# Altium PCB e-puck3-coreboard.PcbDoc (part 6 of 7)
Units mm, origin at the board's own origin, x right, y up, seen from the top; angles counter-clockwise.
Board outline 42.5 x 39.5 mm, 10 copper layers (Top Layer, Top GND Plane, Top Mid Layer 1, Top Mid Layer 2, Mid GND Plane, Bot Mid Layer 3, Bot Mid Layer 2, Bot Mid Layer 1, Bot GND Plane, Bottom Layer), stack 1.366 mm thick; 292 components, 337 nets, 1581 pads, 7018 vias.
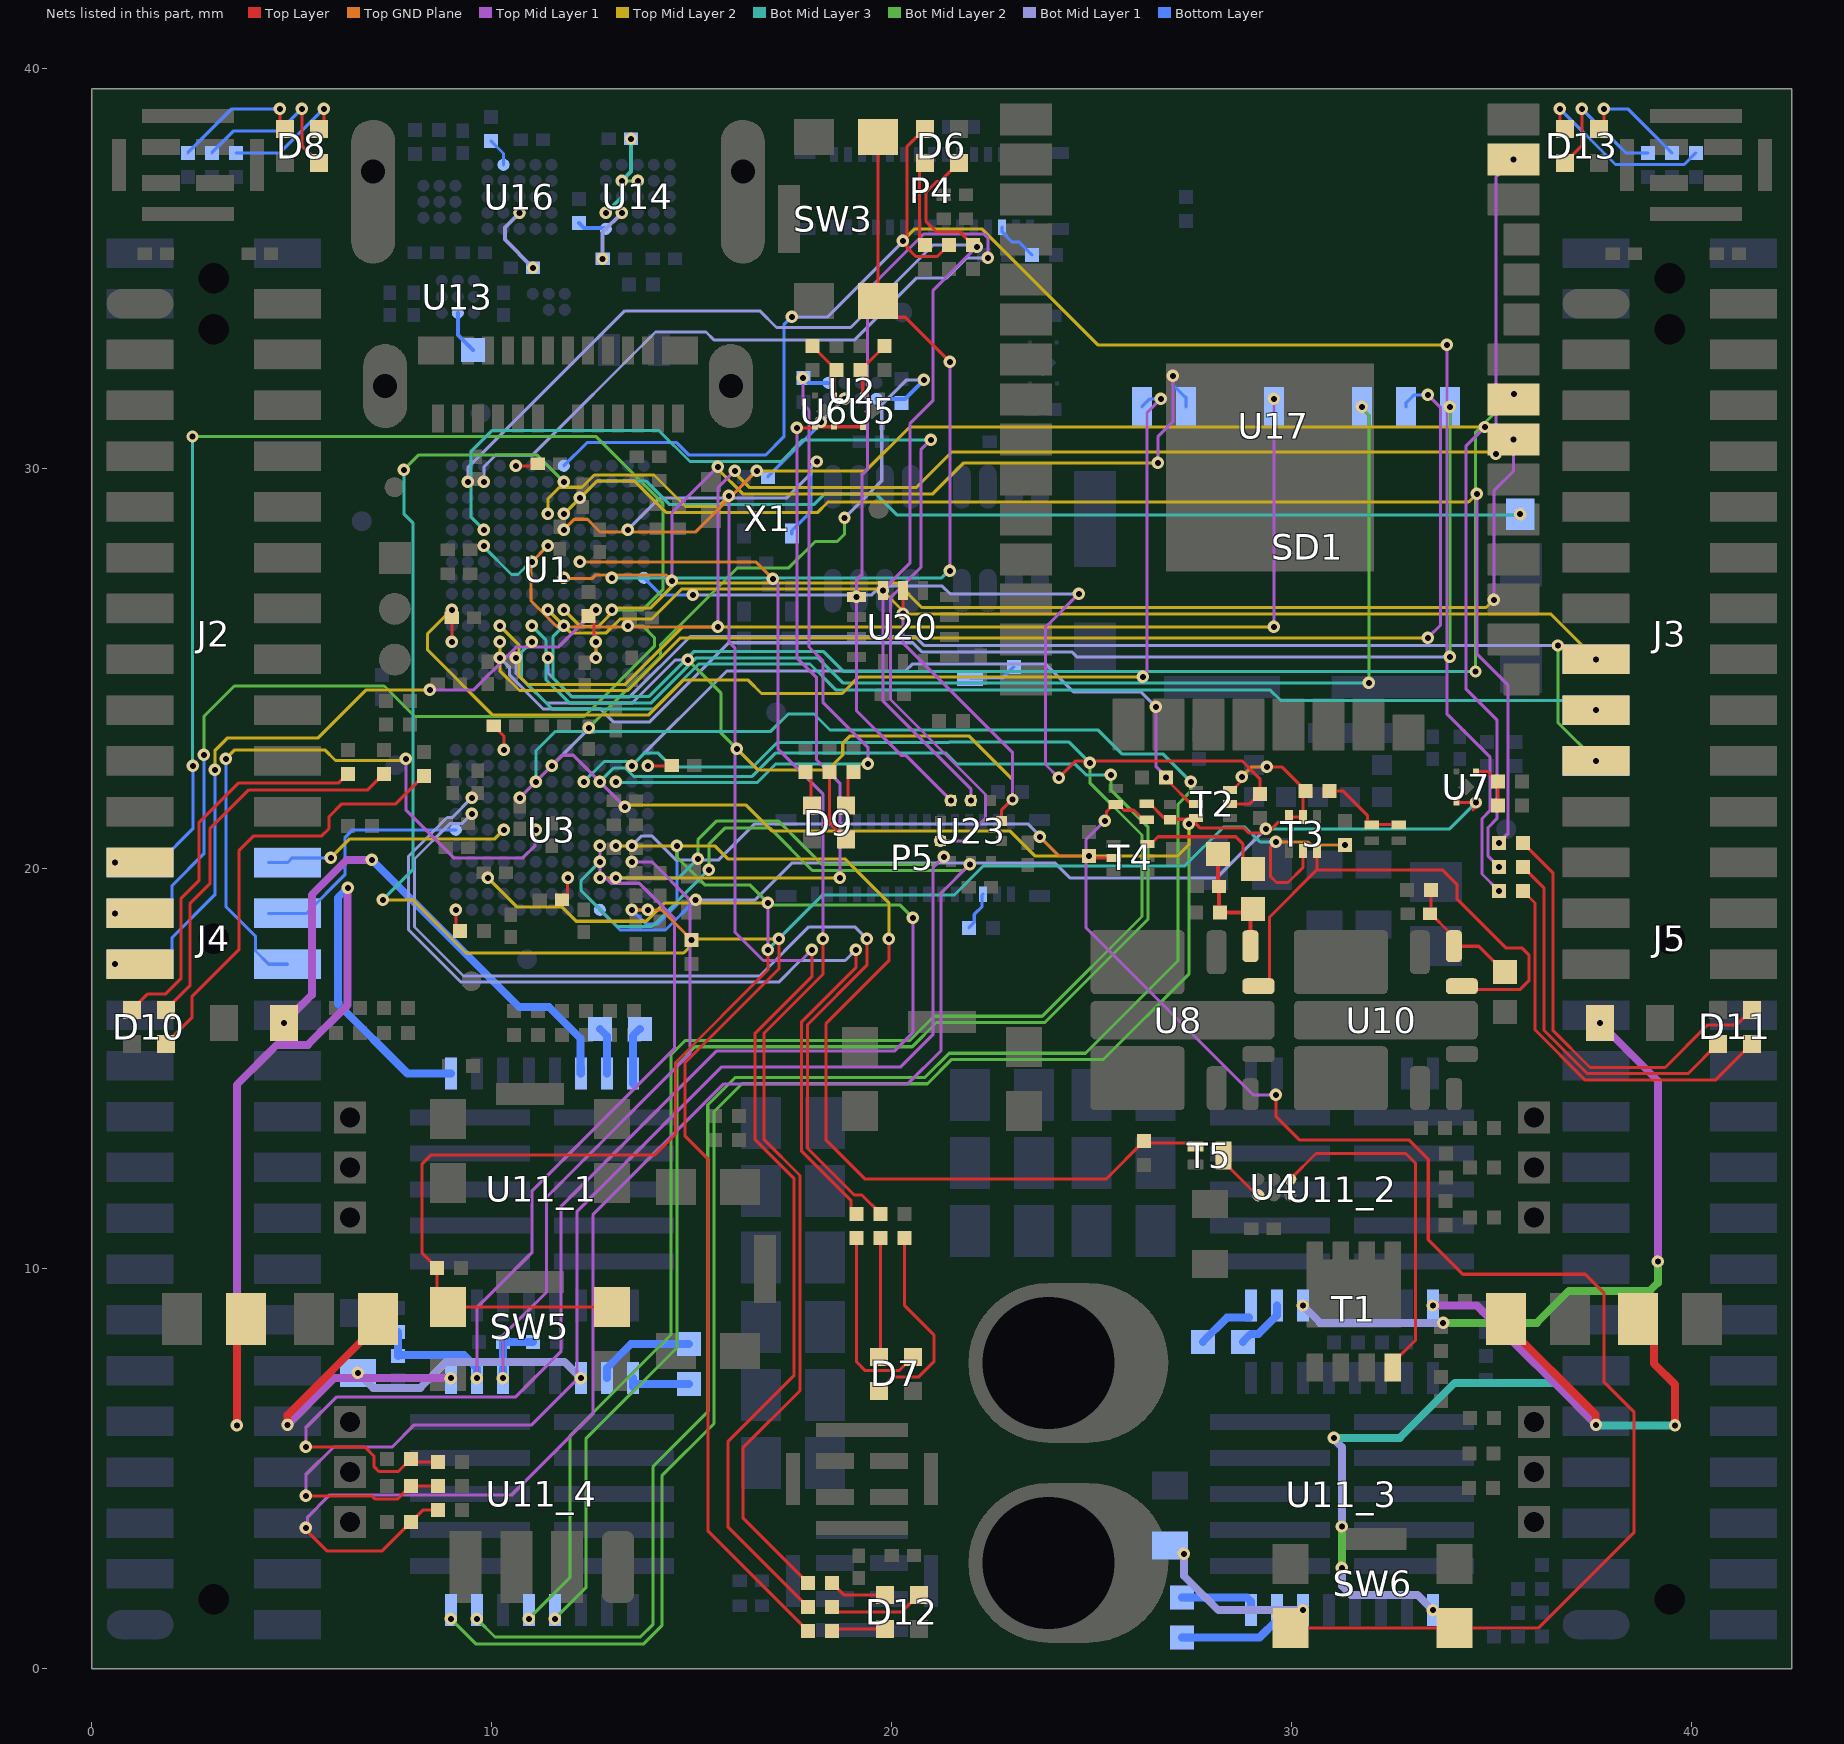
[diagram p14: the nets of this part, all layers, seen from the top]

## Via types
v1: diameter 0.304, hole 0.15, Bot GND Plane to Bottom Layer, 1160 vias
v2: diameter 0.304, hole 0.15, Bot Mid Layer 1 to Bot GND Plane, 1106 vias
v3: diameter 0.304, hole 0.15, Bot Mid Layer 2 to Bot Mid Layer 1, 1042 vias
v4: diameter 0.304, hole 0.15, Bot Mid Layer 3 to Bot Mid Layer 2, 765 vias
v5: diameter 0.304, hole 0.15, Mid GND Plane to Bot Mid Layer 3, 706 vias
v6: diameter 0.304, hole 0.15, Top Mid Layer 2 to Mid GND Plane, 706 vias
v7: diameter 0.304, hole 0.15, Top Mid Layer 1 to Top Mid Layer 2, 585 vias
v8: diameter 0.304, hole 0.15, Top GND Plane to Top Mid Layer 1, 493 vias
v9: diameter 0.304, hole 0.15, Top Layer to Top GND Plane, 343 vias
v10: diameter 0.304/0.15/0.15/0.15/0.15/0.15/0.15/0.15/0.15/0.304 (per signal layer), hole 0.15, Top Layer to Bottom Layer, 39 vias
v11: diameter 0.304/0.304/0.15/0.15/0.304/0.15/0.15/0.15/0.304/0.304 (per signal layer), hole 0.15, Top Layer to Bottom Layer, 38 vias
v12: diameter 0.304/0.15/0.304/0.15/0.304/0.304/0.15/0.15/0.304/0.304 (per signal layer), hole 0.15, Top Layer to Bottom Layer, 10 vias
v13: diameter 0.304/0.304/0.15/0.15/0.15/0.15/0.15/0.15/0.15/0.304 (per signal layer), hole 0.15, Top Layer to Bottom Layer, 8 vias
v14: diameter 0.304/0.304/0.15/0.15/0.304/0.15/0.15/0.15/0.15/0.304 (per signal layer), hole 0.15, Top Layer to Bottom Layer, 4 vias
v15: diameter 0.304/0.304/0.15/0.15/0.304/0.15/0.15/0.15/0.304/0.15 (per signal layer), hole 0.15, Top Layer to Bottom Layer, 4 vias
v16: diameter 0.304/0.15/0.304/0.304/0.304/0.304/0.15/0.304/0.304/0.304 (per signal layer), hole 0.15, Top Layer to Bottom Layer, 2 vias
v17: diameter 0.304/0.15/0.15/0.15/0.304/0.15/0.15/0.15/0.304/0.304 (per signal layer), hole 0.15, Top Layer to Bottom Layer, 2 vias
v18: diameter 0.304/0.15/0.15/0.15/0.15/0.15/0.15/0.304/0.15/0.304 (per signal layer), hole 0.15, Top Layer to Bottom Layer, 1 vias
v19: diameter 0.304/0.15/0.304/0.15/0.15/0.304/0.15/0.15/0.15/0.304 (per signal layer), hole 0.15, Top Layer to Bottom Layer, 1 vias
v20: diameter 0.304/0.15/0.15/0.15/0.304/0.15/0.15/0.15/0.15/0.304 (per signal layer), hole 0.15, Top Layer to Bottom Layer, 1 vias
v21: diameter 0.304/0.15/0.15/0.15/0.15/0.15/0.304/0.15/0.15/0.304 (per signal layer), hole 0.15, Top Layer to Bottom Layer, 1 vias
v22: diameter 0.304/0.15/0.304/0.15/0.15/0.15/0.15/0.15/0.15/0.304 (per signal layer), hole 0.15, Top Layer to Bottom Layer, 1 vias

## Nets (pads, with @x,y where several pads share a name; then routed paths per layer and width w, separated by ;. In a path a pad name is that pad's centre, name@x,y a point inside that pad or via, vN(x,y) a via of type N, cw(c..) or ccw(c..) an arc to the next point about the centre after c; other vN are vias at no path point) (continued)
motor_ctrl_4.Phase1_Csense_1: R37_4.2 R39_4.1 U3.K7 U11_4.15 | length 19.5
  Top Mid Layer 1 w0.077: v3(9.625,7.265) 9.625,9.025 11,10.4 11,11.941 14.571,15.512 14.571,18.754 13.687,19.638 12.988,19.638 12.7,19.927 v4(12.7,20.575)
  Bottom Layer w0.2: R39_4.1@7.65,8.415 R37_4.2@7.65,7.815 7.677,7.842 9.298,7.842 9.625,7.515 v3(9.625,7.265)
  other v1: 9.625,7.265 12.7,20.575
  other v2: 9.625,7.265 12.7,20.575
  other v3: 12.7,20.575
  other v4: 9.625,7.265
  other v5: 9.625,7.265 12.7,20.575
  other v6: 9.625,7.265 12.7,20.575
  other v7: 9.625,7.265 12.7,20.575
motor_ctrl_4.Phase1_Vsense_1: R30_4.2 R35_4.1 U3.K8 | length 45.8
  Top Layer w0.077: v9@5.3,3.525 5.875,2.95 7.26,2.95 R30_4.2@7.975,3.665 ; R30_4.2@8.015,3.665 R30_4.2@7.975,3.665 ; R35_4.1@8.65,3.975 8.285,3.975 R30_4.2@7.975,3.665
  Top Mid Layer 1 w0.077: v9(5.35,3.525) 5.393,3.568 5.393,3.793 5.95,4.35 10.5,4.35 12.525,6.375 12.525,11.35 15.8,14.625 20.4,14.625 21.232,15.457 21.232,19.395 v7(21.95,20.113)
  Bot Mid Layer 2 w0.077: v4(15.425,19.975) 15.425,20.618 15.832,21.025 16.946,21.025 18.013,19.959 21.796,19.959 v7(21.95,20.113)
  Bot Mid Layer 3 w0.077: v4(12.7,20.175) 12.225,19.7 12.225,19.468 13.135,18.557 14.007,18.557 v4(15.425,19.975)
  other v1: 12.7,20.175
  other v2: 12.7,20.175
  other v3: 12.7,20.175
  other v4: 21.95,20.113
  other v5: 21.95,20.113
  other v6: 21.95,20.113
  other v8: 5.35,3.525
motor_ctrl_4.Phase2_1_N: U3.K3 U11_4.4 | length 45.9
  Bot Mid Layer 2 w0.077: v3(11.575,1.25) 12.35,2.025 12.35,5.75 14.629,8.029 14.629,15.104 15.076,15.551 20.508,15.551 21.116,16.16 23.823,16.16 26.408,18.745 26.408,21.042 25.475,21.975 v4(25.475,22.35)
  Bot Mid Layer 3 w0.077: v3(12.7,22.175) 13.05,22.525 13.329,22.525 13.543,22.311 16.508,22.311 17.089,22.893 21.354,22.893 21.629,22.618 24.586,22.618 24.853,22.35 v4(25.475,22.35)
  other v1: 11.575,1.25 12.7,22.175
  other v2: 11.575,1.25 12.7,22.175
  other v4: 12.7,22.175
motor_ctrl_4.Phase2_1_P: U3.F3 U11_4.7 | length 54.4
  Bot Mid Layer 2 w0.077: v3(9.625,1.25) 10.081,0.794 13.714,0.794 14.025,1.105 14.025,5.05 15.399,6.424 15.399,14.097 16.083,14.781 20.827,14.781 21.435,15.39 24.84,15.39 27.157,17.707 27.157,21.621 27.475,21.939 v4(27.475,22.175)
  Bot Mid Layer 3 w0.077: v3(11.1,22.175) 11.1,22.948 11.581,23.429 16.965,23.429 17.408,23.872 18.053,23.872 18.455,23.47 21.302,23.47 21.307,23.476 25.149,23.476 25.75,22.875 26.775,22.875 v4(27.475,22.175)
  other v1: 9.625,1.25 11.1,22.175
  other v2: 9.625,1.25 11.1,22.175
  other v4: 11.1,22.175
motor_ctrl_4.Phase2_Csense_1: R36_4.2 R38_4.1 U3.M8 U11_4.16 | length 17.4
  Top Mid Layer 1 w0.077: v3(10.275,7.265) 10.275,8.325 11.368,9.418 11.368,11.793 14.95,15.375 14.95,19.23 14.005,20.175 v3(13.5,20.175)
  Bottom Layer w0.2: v3(10.275,7.265) R38_4.1@10.275,8.175 R36_4.2@11.025,8.175
  other v1: 10.275,7.265 13.5,20.175
  other v2: 10.275,7.265 13.5,20.175
  other v4: 10.275,7.265 13.5,20.175
  other v5: 10.275,7.265 13.5,20.175
  other v6: 10.275,7.265 13.5,20.175
  other v7: 10.275,7.265 13.5,20.175
motor_ctrl_4.Phase2_Vsense_1: R31_4.2 R34_4.1 U3.L9 | length 40.9
  Top Layer w0.077: v9(5.35,4.325) 7,4.325 7.075,4.25 7.65,4.25 R31_4.2@7.975,4.575 R34_4.1@8.65,4.575 R34_4.1@8.635,4.59
  Top Mid Layer 1 w0.077: v9(5.35,4.325) 5.35,4.85 6.043,5.543 7.504,5.543 8.061,6.1 11.001,6.1 12.125,7.224 12.125,11.425 15.75,15.05 20.225,15.05 21.025,15.85 21.025,20.025 v7(21.3,20.3)
  Bot Mid Layer 2 w0.077: v4(15.15,20.25) 15.15,20.725 15.625,21.2 17.162,21.2 18.249,20.113 21.113,20.113 v7(21.3,20.3)
  Bot Mid Layer 3 w0.077: v3(13.1,19.775) 14.675,19.775 v4(15.15,20.25)
  other v1: 13.1,19.775
  other v2: 13.1,19.775
  other v4: 13.1,19.775 21.3,20.3
  other v5: 21.3,20.3
  other v6: 21.3,20.3
  other v8: 5.35,4.325
motor_ctrl_4.Phase3_1_N: U3.J3 U11_4.5 | length 46.7
  Bot Mid Layer 2 w0.077: v3(10.925,1.25) 11.95,2.275 11.95,5.822 14.475,8.347 14.475,15.35 14.83,15.705 20.444,15.705 21.052,16.314 23.76,16.314 26.254,18.808 26.254,20.846 24.95,22.15 v4(24.95,22.65)
  Bot Mid Layer 3 w0.077: v3(12.3,22.175) 12.804,22.679 13.604,22.679 13.825,22.9 14.15,22.9 14.502,22.548 16.526,22.548 17.141,23.162 21.43,23.162 21.435,23.168 24.432,23.168 v4(24.95,22.65)
  other v1: 10.925,1.25 12.3,22.175
  other v2: 10.925,1.25 12.3,22.175
  other v4: 12.3,22.175
motor_ctrl_4.Phase3_1_P: U3.E4 U11_4.8 | length 55.1
  Top Mid Layer 1 w0.077: v4(10.7,21.775) 11.763,22.838 12.037,22.838 v7(13.325,21.55)
  Bot Mid Layer 2 w0.077: v3(8.975,1.25) 9.608,0.617 13.787,0.617 14.25,1.08 14.25,4.825 15.553,6.128 15.553,13.928 16.252,14.627 20.89,14.627 21.499,15.236 25.294,15.236 27.425,17.367 v4(27.425,21.125)
  Top Mid Layer 2 w0.077: v7(13.325,21.55) 13.368,21.593 16.357,21.593 17,20.95 22.95,20.95 23.575,20.325 27.15,20.325 27.425,20.6 v4(27.425,21.125)
  other v1: 8.975,1.25 10.7,21.775
  other v2: 8.975,1.25 10.7,21.775
  other v3: 10.7,21.775
  other v5: 27.425,21.125 10.7,21.775
  other v6: 27.425,21.125 10.7,21.775
  other v7: 10.7,21.775
motor_ctrl_4.Phase3_Vsense_1: R32_4.2 R33_4.1 U3.M11 | length 38.3
  Top Layer w0.077: v9@5.425,5.55 6.82,5.55 7.05,5.32 7.05,5.062 7.177,4.935 7.66,4.935 R32_4.2@7.975,5.25 ; R32_4.2@7.985,5.25 R32_4.2@7.975,5.25 ; R33_4.1@8.65,5.175 8.05,5.175 R32_4.2@7.975,5.25
  Top Mid Layer 1 w0.077: v9(5.35,5.55) 5.35,6.025 6.125,6.8 10.6,6.8 11.725,7.925 11.725,11.55 15.625,15.45 20.075,15.45 20.525,15.9 v4(20.525,18.775)
  Bot Mid Layer 2 w0.077: v3(14.625,20.575) 14.625,20.296 15.321,19.6 16.45,19.6 16.95,19.1 20.2,19.1 v4(20.525,18.775)
  Bottom Layer w0.077: U3.M11@13.5,18.975 13.85,18.625 14.15,18.625 14.625,19.1 v3(14.625,20.575)
  other v1: 14.625,20.575
  other v2: 14.625,20.575
  other v5: 20.525,18.775
  other v6: 20.525,18.775
  other v7: 20.525,18.775
  other v8: 5.35,5.55
NetC8_1: C8.1 U1.C1 | length 0.6
  Top Layer w0.077: C8.1@8.995,26.275 9,26.27 v10(9,25.675)
NetC9_1: C9.1 U1.P5 | length 0.6
  Top Layer w0.077: v10(10.6,30.075) 11.095,30.075 C9.1@11.145,30.125
NetC28_1: C28.1 U3.D1 | length 0.7
  Top Layer w0.077: C28.1@10.045,23.575 10.065,23.575 10.175,23.465 10.175,23.445 10.3,23.32 v10(10.3,22.975)
NetC29_1: C29.1 U3.N2 | length 0.6
  Top Layer w0.077: v10(13.9,22.575) 14.455,22.575 14.48,22.6 C29.1@14.5,22.58
NetC44_2: C44.2 R20.2 R22.1 R23.1 U8.1 | length 3.2
  Top Layer w0.077: C44.2@28.15,19.59 C44.2@28.18,19.56 ; R20.2@28.18,18.93 R20.2@28.2,18.91 ; R23.1@28.935,18.91 28.965,18.94 R23.1@29.025,19
  Top Layer w0.1: C44.2@28.15,19.59 R22.1@28.15,20.375 ; R20.2@28.18,18.93 C44.2@28.18,19.56 ; R20.2@28.2,18.91 R23.1@28.935,18.91 ; U8.1@28.965,18.065 R23.1@28.965,18.94
NetC48_2: C48.2 R28.2 R29.1 U10.1 | length 3.2
  Top Layer w0.077: R28.2@33.475,19.475 33.475,18.895 C48.2@33.455,18.875 33.475,18.875 33.931,18.419 33.931,18.184 U10.1@34.05,18.065 34.675,18.065 R29.1@35.325,17.415
NetC51_1_1: C51_1.1 U11_1.20 | length 1.2
  Bottom Layer w0.2: C51_1.1@12.7,16 12.875,15.825 U11_1.20@12.875,14.885
NetC51_1_2: C51_1.2 U11_1.21 | length 1.5
  Bottom Layer w0.2: U11_1.21@13.575,14.585 13.525,14.635 U11_1.21@13.525,14.885 13.525,15.825 C51_1.2@13.7,16
NetC51_2_1: C51_2.1 U11_2.20 | length 1.4
  Bottom Layer w0.2: C51_2.1@28.775,8.175 28.975,8.375 29.165,8.375 29.625,8.835 U11_2.20@29.625,9.085
NetC51_2_2: C51_2.2 U11_2.21 | length 1.4
  Bottom Layer w0.2: C51_2.2@27.775,8.175 28.385,8.785 U11_2.21@28.925,8.785
NetC51_3_1: C51_3.1 U11_3.20 | length 2.8
  Bottom Layer w0.2: C51_3.1@27.25,0.785 29.195,0.785 29.625,1.215 U11_3.20@29.625,1.465
NetC51_3_2: C51_3.2 U11_3.21 | length 2
  Bottom Layer w0.2: C51_3.2@27.25,1.785 28.875,1.785 28.975,1.685 U11_3.21@28.975,1.465
NetC51_4_1: C51_4.1 U11_4.20 | length 2.6
  Bottom Layer w0.2: U11_4.20@12.875,7.265 12.875,7.515 13.485,8.125 C51_4.1@14.925,8.125
NetC51_4_2: C51_4.2 U11_4.21 | length 1.6
  Bottom Layer w0.2: U11_4.21@13.525,7.045 U11_4.21@13.525,7.175 ; U11_4.21@13.525,7.265 U11_4.21@13.525,7.175 ; C51_4.2@14.925,7.125 13.575,7.125 U11_4.21@13.525,7.175
NetC52_1_2: C52_1.2 U11_1.19 | length 13.4
  Top Mid Layer 1 w0.2: v9(4.8,16.15) 5.5,16.85 5.5,19.35 6.375,20.225 v7(7,20.225)
  Bottom Layer w0.2: v7(7,20.225) 10.675,16.55 11.425,16.55 12.223,15.752 12.223,14.887 U11_1.19@12.225,14.885 U11_1.19@12.225,15.035
  other v1: 7,20.225
  other v2: 7,20.225
  other v3: 7,20.225
  other v4: 7,20.225
  other v5: 7,20.225
  other v6: 7,20.225
  other v8: 4.8,16.15
NetC52_2_2: C52_2.2 U11_2.19 | length 16.6
  Top Mid Layer 1 w0.2: v9(37.7,16.15) 39.15,14.7 v4(39.15,10.185)
  Bot Mid Layer 2 w0.2: v3(33.785,8.65) 36.125,8.65 36.925,9.45 38.95,9.45 39.15,9.65 v4(39.15,10.185)
  Bot Mid Layer 1 w0.2: v2(30.275,9.085) 30.71,8.65 v3(33.785,8.65)
  other v1: 30.275,9.085
  other v5: 39.15,10.185
  other v6: 39.15,10.185
  other v7: 39.15,10.185
  other v8: 37.7,16.15
NetC52_3_2: C52_3.2 U11_3.19 | length 3.9
  Bot Mid Layer 1 w0.2: v2(27.3,2.875) 27.3,2.326 28.161,1.465 v2(30.275,1.465)
  other v1: 30.275,1.465 27.3,2.875
NetC52_4_2: C52_4.2 U11_4.19 | length 6.2
  Bot Mid Layer 1 w0.2: v2(6.65,7.4) 7.025,7.025 8.212,7.025 8.862,7.675 11.815,7.675 v2(12.225,7.265)
  other v1: 12.225,7.265 6.65,7.4
NetC56_1_1: C56_1.1 U11_1.14 | length 24.3
  Top Layer w0.2: v9(3.625,6.089) 3.625,8.525 C56_1.1@3.85,8.75
  Top Mid Layer 1 w0.2: v9(3.625,6.089) 3.625,14.6 4.625,15.6 5.4,15.6 6.396,16.596 6.396,19.474 v7@6.422,19.5
  Bottom Layer w0.2: v7(6.4,19.525) 6.15,19.275 6.15,16.625 7.89,14.885 U11_1.14@8.975,14.885
  other v1: 6.4,19.525
  other v2: 6.4,19.525
  other v3: 6.4,19.525
  other v4: 6.4,19.525
  other v5: 6.4,19.525
  other v6: 6.4,19.525
  other v8: 3.625,6.089
NetC56_2_1: C56_2.1 U11_2.14 | length 8.9
  Top Layer w0.077: v9@37.589,6.12 v8(37.608,6.1)
  Top Layer w0.2: C56_2.1@35.35,8.75 35.35,8.6 37.589,6.361 v9@37.589,6.12
  Top Mid Layer 1 w0.2: v3(33.525,9.085) 34.623,9.085 v8(37.608,6.1)
  other v1: 33.525,9.085
  other v2: 33.525,9.085
  other v4: 33.525,9.085
  other v5: 33.525,9.085
  other v6: 33.525,9.085
  other v7: 33.525,9.085
  other v9: 37.608,6.1
NetC56_3_1: C56_3.1 U11_3.14 | length 18.9
  Top Layer w0.2: C56_3.1@38.65,8.75 39.05,8.35 39.05,7.635 39.58,7.105 v9(39.58,6.089)
  Bot Mid Layer 2 w0.2: v3(31.25,2.525) v3(31.25,3.56)
  Bot Mid Layer 1 w0.2: v3(31.05,5.775) 31.05,5.747 31.25,5.547 v3(31.25,3.56) ; v3(31.25,2.525) 31.25,2.075 31.475,1.85 33.14,1.85 v2(33.525,1.465)
  Bot Mid Layer 3 w0.2: v3(31.05,5.775) 32.7,5.775 34.075,7.15 36.616,7.15 37.677,6.089 v9(39.58,6.089)
  other v1: 33.525,1.465
  other v4: 31.05,5.775
  other v5: 39.58,6.089
  other v6: 39.58,6.089
  other v7: 39.58,6.089
  other v8: 39.58,6.089
NetC56_4_1: C56_4.1 U11_4.14 | length 8
  Top Layer w0.2: v9(4.892,6.1) 4.892,6.342 C56_4.1@7.15,8.6
  Top Mid Layer 1 w0.2: v9(4.892,6.1) 6.057,7.265 v3(8.975,7.265)
  other v1: 8.975,7.265
  other v2: 8.975,7.265
  other v4: 8.975,7.265
  other v5: 8.975,7.265
  other v6: 8.975,7.265
  other v7: 8.975,7.265
  other v8: 4.892,6.1
NetC60_1: C60.1 U13.A2 | length 1.1
  Bottom Layer w0.1: U13.A2@9.15,33.9 9.15,33.35 C60.1@9.525,32.975
NetC61_1: C61.1 U14.B1 U14.D3 | length 2.5
  Bot Mid Layer 2 w0.077: v4(13.25,37.2) v3(13.65,37.2)
  Bot Mid Layer 3 w0.1: v3(12.85,36.4) 13.25,36.8 v4(13.25,37.2) 13.48,37.43 v4(13.48,38.25)
  other v1: 12.85,36.4 13.65,37.2 13.48,38.25
  other v2: 12.85,36.4 13.65,37.2 13.48,38.25
  other v3: 13.48,38.25
  other v4: 12.85,36.4
NetC62_1: C62.1 U14.B2 | length 1.2
  Bot Mid Layer 1 w0.1: v2@12.77,35.35 12.77,35.92 v2(13.25,36.4)
  other v1: 12.77,35.25 13.25,36.4
  other v2: 12.77,35.25
NetC64_1: C64.1 U16.D3 | length 1.8
  Bot Mid Layer 1 w0.1: v2(10.693,36.4) 10.325,36.032 10.325,35.73 v1(11.03,35.025)
  other v1: 10.693,36.4
  other v2: 11.03,35.025
NetD1_2: D1.2 D2.2 R24.1 | length 2.2
  Top Layer w0.077: R24.1@30.946,21.95 31.275,21.95 31.89,21.335 31.89,21.18 31.96,21.11 32,21.11 D2.2@32.675,21.11
NetD3_2: D3.2 D4.2 SW6.2 | length 38.6
  Top Layer w0.077: v8(25.325,21.2) v9@25.335,21.2 ; v9@25.366,21.2 v9@25.335,21.2 ; v9@25.38,21.245 v9@25.368,21.233 ; D3.2@25.516,21.595 D3.2@25.534,21.595 ; D3.2@25.56,21.63 D3.2@25.595,21.595 ; D4.2@26.375,21.215 26.305,21.215 26.056,21.464 25.805,21.464 25.674,21.595 D3.2@25.595,21.595 ; v9(29.6,14.35) 29.6,13.814 30.189,13.225 32.925,13.225 33.41,12.74 33.41,10.73 34.275,9.865 37.335,9.865 37.8,9.4 37.8,7.175 38.55,6.425 38.55,3.4 36.175,1.025 SW6.2@34.069,1.025 SW6.2@29.969,1.025 ; v9@25.335,21.2 v9@25.368,21.233 ; v9@25.368,21.233 25.368,21.43 D3.2@25.534,21.595 ; D3.2@25.534,21.595 D3.2@25.595,21.595
  Top Layer w0.1: SW6.2@34.069,1.025 SW6.2@34.069,1.075
  Top Mid Layer 1 w0.077: v8(25.325,21.2) 24.85,20.725 24.85,18.532 29.031,14.35 v9(29.6,14.35)
  other v8: 29.6,14.35
  other v9: 25.325,21.2
NetD4_1: D4.1 D5.1 R24.2 T2.3 T2.6 T3.5 T3.6 | length 7.8
  Top Layer w0.077: D4.1@26.375,21.635 26.445,21.635 26.814,21.266 26.899,21.266 D5.1@26.96,21.205 ; D5.1@27.015,21.15 D5.1@26.96,21.205 ; T2.6@28.45,21.975 28.525,21.975 28.707,22.157 28.707,22.257 v9(28.75,22.3) ; v9(29.375,22.55) 29.746,22.55 R24.2@30.346,21.95 30.275,21.879 T3.5@30.275,21.3 T3.6@29.925,21.3 29.925,21.225 29.875,21.175 29.675,21.175 29.4,20.9 28.925,20.9 28.8,21.025 27.7,21.025 27.6,21.125 T2.3@27.6,21.275 27.565,21.24 26.995,21.24 D5.1@26.96,21.205
  Top GND Plane w0.077: v9(28.75,22.3) 29,22.55 v9(29.375,22.55)
NetD6_2: D6.2 R40.2 | length 3.3
  Top Layer w0.077: D6.2@21.675,37.65 21.211,37.186 21.128,37.186 20.85,36.908 20.85,36.192 21.117,35.925 21.7,35.925 R40.2@22.025,35.6
NetD6_3: D6.3 R42.2 | length 2.2
  Top Layer w0.077: R42.2@20.824,35.6 20.696,35.728 20.696,37.521 D6.3@20.825,37.65
NetD6_4: D6.4 R41.2 | length 4.4
  Top Layer w0.077: D6.4@20.825,38.5 20.375,38.05 20.375,35.536 20.602,35.309 21.134,35.309 R41.2@21.425,35.6
NetD7_2: D7.2 R43.2 | length 5.1
  Top Layer w0.077: D7.2@19.675,6.95 20.025,7.3 20.675,7.3 21.05,7.675 21.05,8.35 20.32,9.08 R43.2@20.32,10.775
NetD7_3: D7.3 R47.2 | length 3
  Top Layer w0.077: D7.3@19.675,7.8 19.72,7.845 R47.2@19.72,10.775
NetD7_4: D7.4 R46.2 | length 4.7
  Top Layer w0.077: R46.2@19.12,10.775 19.12,7.67 19.336,7.454 20.179,7.454 D7.4@20.525,7.8
NetD8_2: D8.2 R44.2 | length 3.3
  Top Layer w0.077: v3(4.7,39) 4.7,38.625 D8.2@4.825,38.5
  Bottom Layer w0.077: R44.2@2.4,37.9 3.5,39 v3(4.7,39)
  other v1: 4.7,39
  other v2: 4.7,39
  other v4: 4.7,39
  other v5: 4.7,39
  other v6: 4.7,39
  other v7: 4.7,39
  other v8: 4.7,39
  other v9: 4.7,39
NetD8_3: D8.3 R49.2 | length 3.2
  Top Layer w0.077: D8.3@5.675,38.5 5.8,38.625 v3(5.8,39)
  Bottom Layer w0.077: R49.2@3.6,37.9 4.7,37.9 v3(5.8,39)
  other v1: 5.8,39
  other v2: 5.8,39
  other v4: 5.8,39
  other v5: 5.8,39
  other v6: 5.8,39
  other v7: 5.8,39
  other v8: 5.8,39
  other v9: 5.8,39
NetD8_4: D8.4 R48.2 | length 4.2
  Top Layer w0.077: v3(5.25,39) 5.25,38.075 D8.4@5.675,37.65
  Bottom Layer w0.077: R48.2@3,37.9 3.55,38.45 4.7,38.45 v3(5.25,39)
  other v1: 5.25,39
  other v2: 5.25,39
  other v4: 5.25,39
  other v5: 5.25,39
  other v6: 5.25,39
  other v7: 5.25,39
  other v8: 5.25,39
  other v9: 5.25,39
NetD9_2: D9.2 R45.2 | length 0.9
  Top Layer w0.077: R45.2@17.84,22.425 17.976,22.288 17.976,21.604 D9.2@18,21.58
NetD9_3: D9.3 R51.2 | length 0.9
  Top Layer w0.077: D9.3@18.85,21.58 18.903,21.633 18.903,22.288 R51.2@19.04,22.425
NetD9_4: D9.4 R50.2 | length 1.9
  Top Layer w0.077: R50.2@18.44,22.425 18.44,21.14 D9.4@18.85,20.73
NetD10_2: D10.2 R52.2 | length 9.9
  Top Layer w0.077: D10.2@1,16.475 1.4,16.875 1.851,16.875 2.225,17.249 2.225,19.25 2.675,19.7 2.675,21.15 3.675,22.15 6.175,22.15 R52.2@6.4,22.375
NetD10_3: D10.3 R55.2 | length 9.9
  Top Layer w0.077: D10.3@1.85,16.475 2.45,17.075 2.45,19.125 2.95,19.625 2.95,21 3.925,21.975 6.9,21.975 R55.2@7.3,22.375
NetD10_4: D10.4 R54.2 | length 11.2
  Top Layer w0.077: D10.4@1.85,15.625 2.5,16.275 2.5,16.8 3.675,17.975 3.675,20.45 4.05,20.825 5.75,20.825 5.929,21.004 5.929,21.304 6.25,21.625 7.6,21.625 R54.2@8.3,22.325
NetD11_2: D11.2 R53.2 | length 11
  Top Layer w0.077: R53.2@35.775,20.65 36.525,19.9 36.525,15.962 37.454,15.033 39.333,15.033 40.4,16.1 41.125,16.1 D11.2@41.5,16.475
NetD11_3: D11.3 R57.2 | length 9.9
  Top Layer w0.077: R57.2@35.775,19.45 36.079,19.146 36.079,15.973 37.327,14.725 40.6,14.725 D11.3@41.5,15.625
NetD11_4: D11.4 R56.2 | length 9.4
  Top Layer w0.077: R56.2@35.775,20.05 36.3,19.525 36.3,15.97 37.391,14.879 39.904,14.879 D11.4@40.65,15.625
NetD12_2: D12.2 R58.2 | length 1.3
  Top Layer w0.077: R58.2@18.5,0.95 18.55,1 D12.2@19.825,1
NetD12_3: D12.3 R60.2 | length 1.4
  Top Layer w0.077: R60.2@18.5,2.15 18.8,1.85 D12.3@19.825,1.85
NetD12_4: D12.4 R59.2 | length 2.4
  Top Layer w0.077: R59.2@18.5,1.55 18.625,1.425 20.25,1.425 D12.4@20.675,1.85
NetD13_2: D13.2 R61.2 | length 3.6
  Top Layer w0.077: D13.2@36.825,37.65 37.25,38.075 v9(37.25,39)
  Bottom Layer w0.077: v9(37.25,39) 38.35,37.9 R61.2@38.9,37.9